# Altium PCB ROS-Robot-Controller.PcbDoc (part 1 of 2)
Units mm, origin at the board's own origin, x right, y up, seen from the top; angles counter-clockwise.
Board outline 50.09 x 64.29 mm, 2 copper layers (Top Layer, Bottom Layer); 98 components, 94 nets, 456 pads, 334 vias.
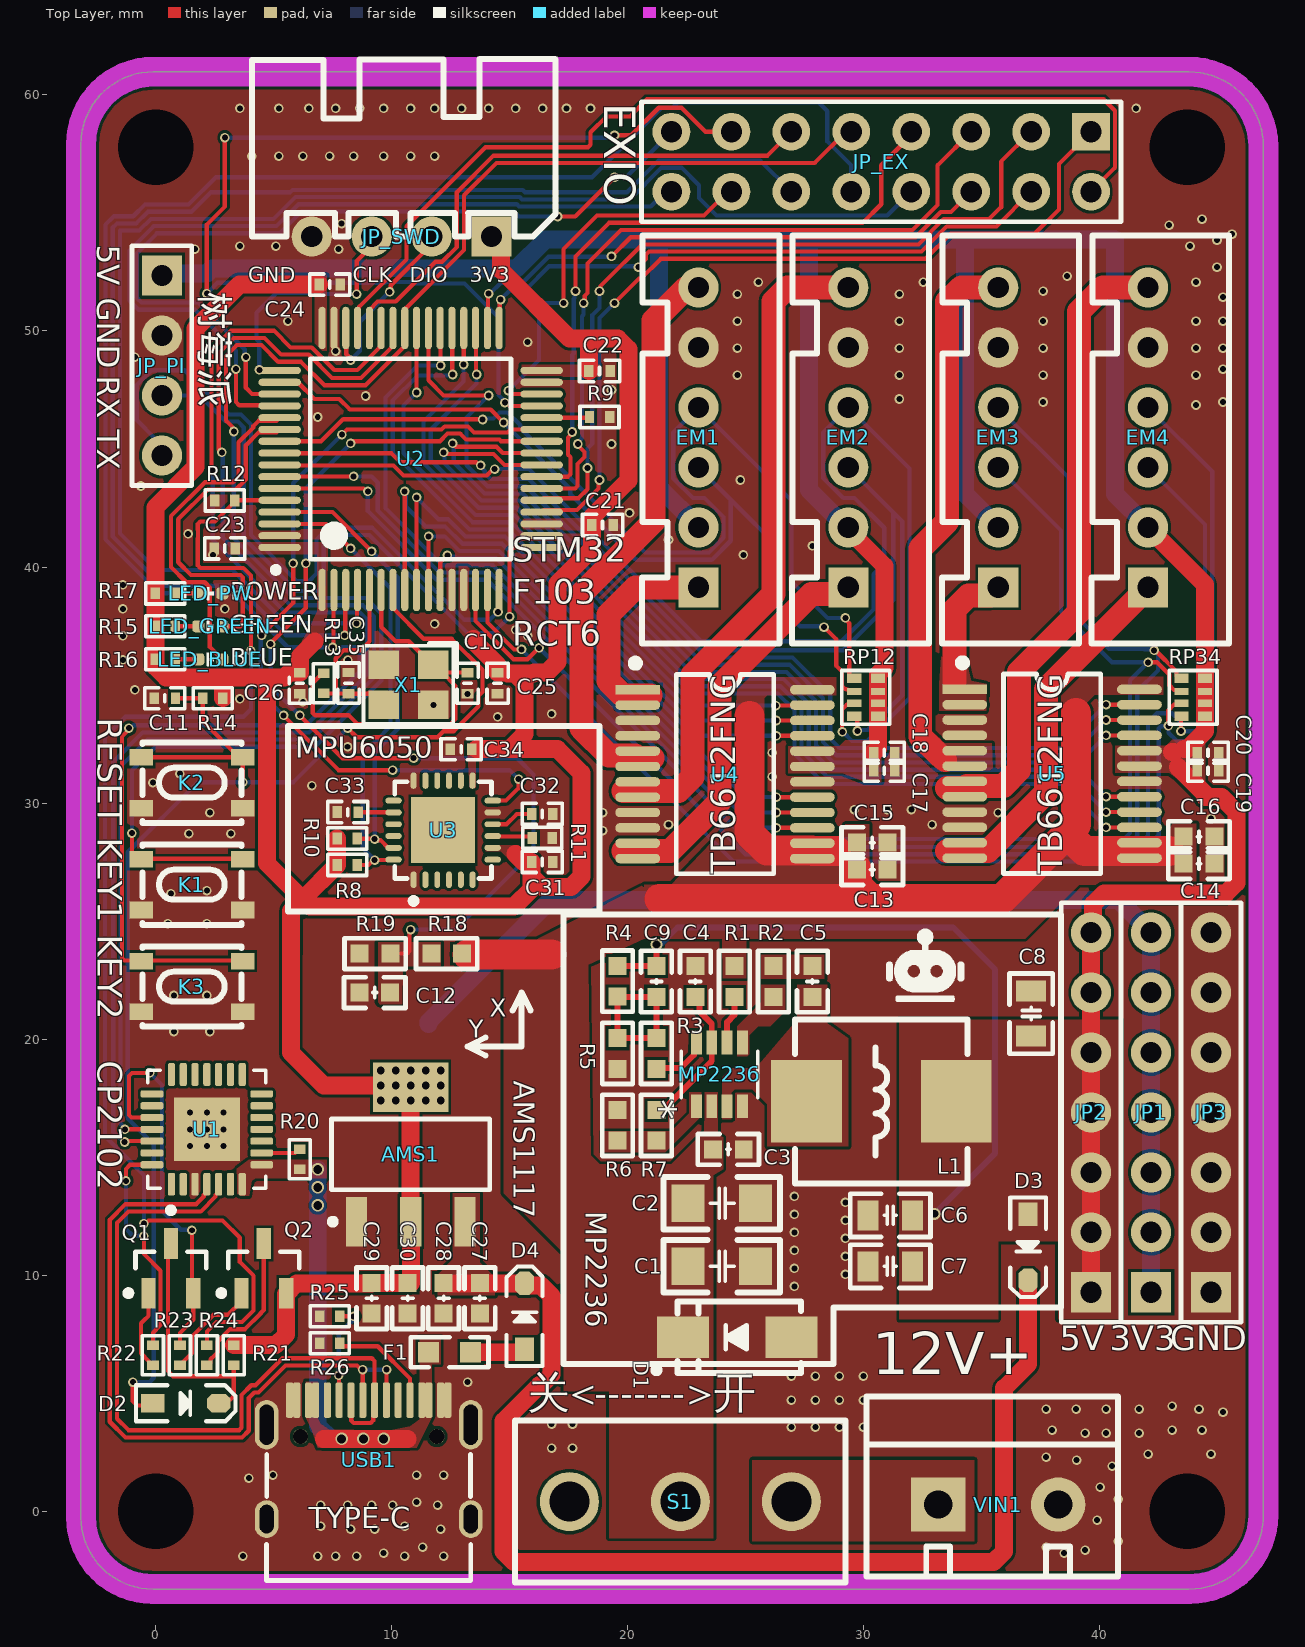
[diagram p0: Top Layer view]
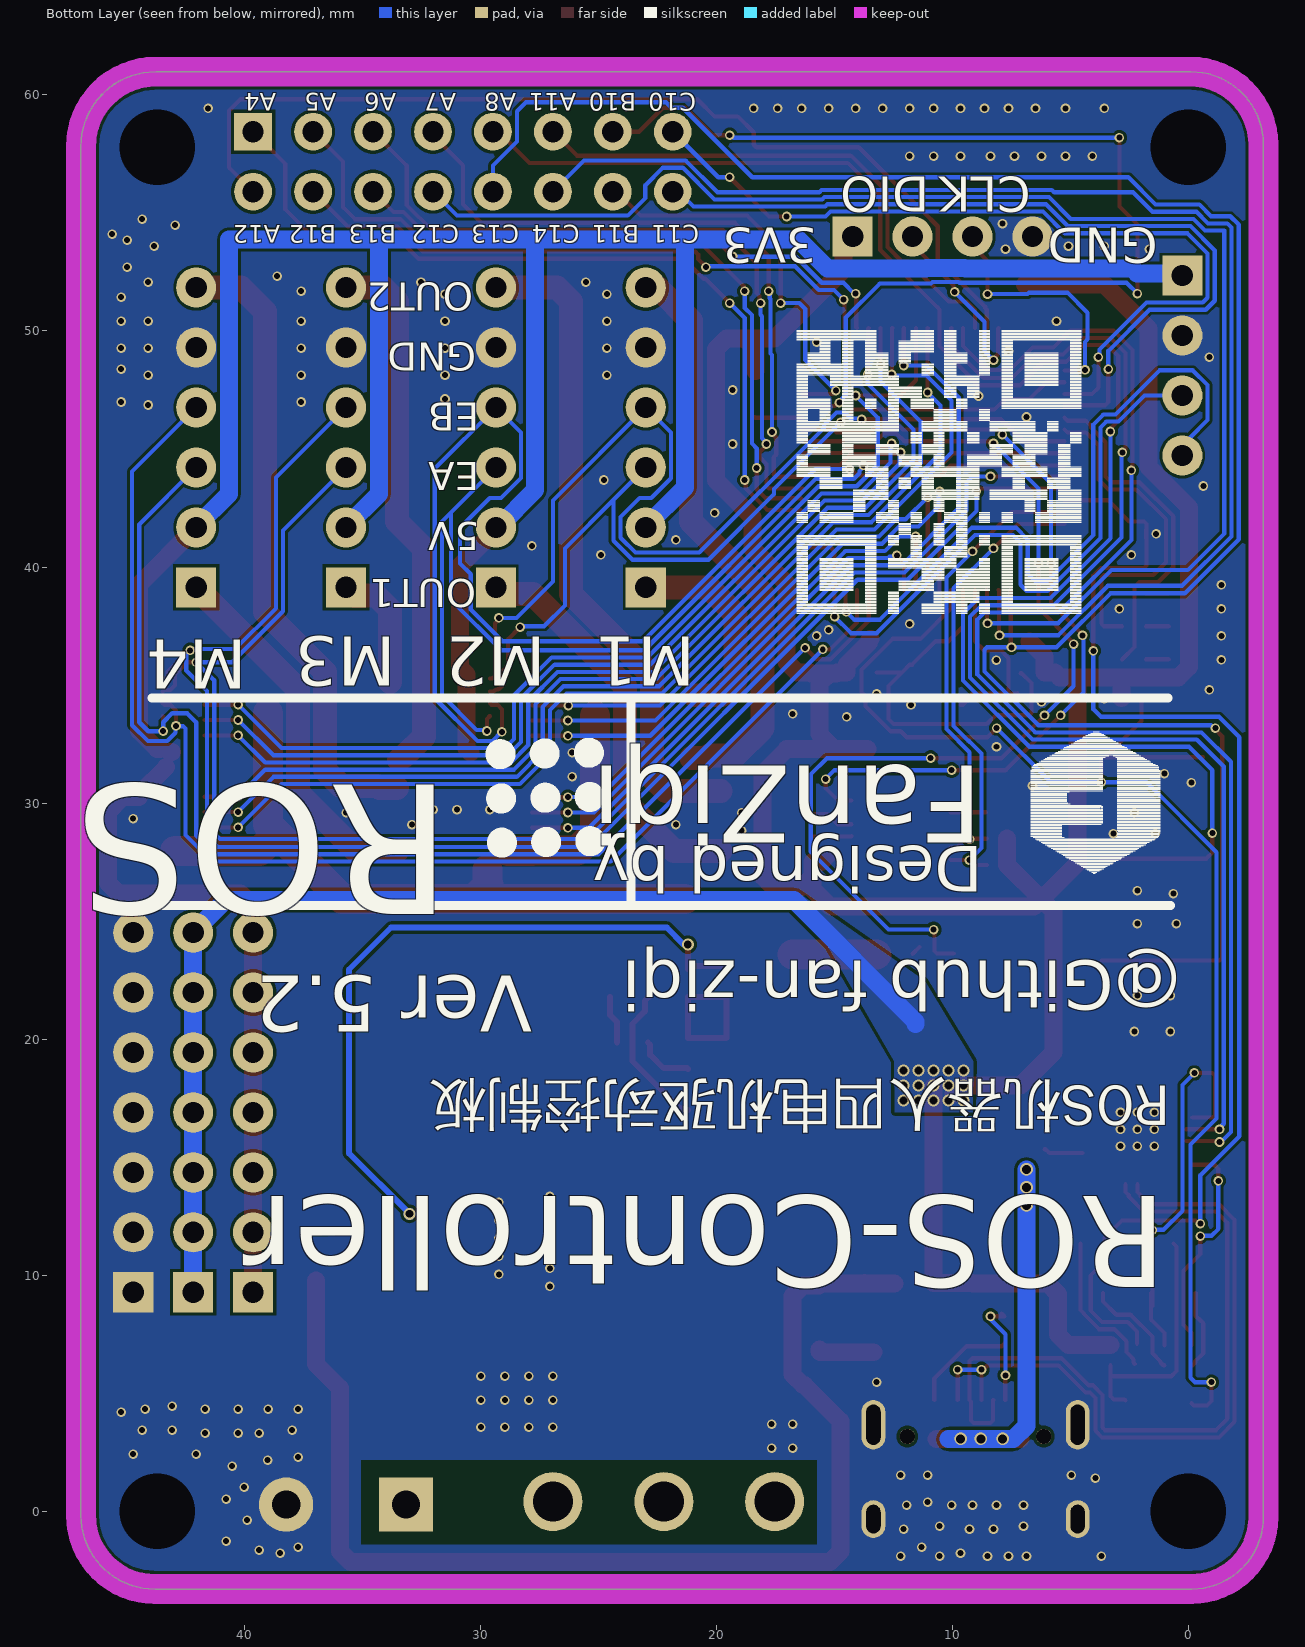
[diagram p1: Bottom Layer view, seen from below]

## Layer stack, top to bottom
Top Solder: solder mask 0.0102, Solder Resist, Dk 3.5
Top Layer: signal copper 0.0356
Dielectric 1: dielectric 0.32, FR-4, Dk 4.8
Bottom Layer: signal copper 0.0356
Bottom Solder: solder mask 0.0102, Solder Resist, Dk 3.5

## Board outline
-3.175,-0.267 ccw(c-0.14,-0.267) -0.14,-3.302 43.789,-3.302 ccw(c43.789,-0.172) 46.919,-0.172 46.919,57.822 ccw(c43.758,57.822) 43.758,60.983 -0.101,60.983 ccw(c-0.101,57.909) -3.175,57.909

## Design rules (kind name [scope] priority, off if disabled: settings)
Clearance [All] p1: gap=0.127 ignorepadtopadclearanceinfootprint=FALSE except(0: Arc-Text Track-Text SMDPad-Text THPad-Text Via-Text Fill-Text Poly-Text Region-Text Text-Text Text-Hole)
ComponentClearance [All] p1: gap=0 collisioncheckmode=3 verticalgap=0 showdistances=FALSE
DiffPairsRouting [InDifferentialPairClass('USB')] p1: maxlimit=0.178 minlimit=0.127 mostfreqgap=0.152 toplayer_minwidth=0.102 toplayer_maxwidth=0.229 toplayer_prefwidth=0.102 bottomlayer_minwidth=0.102 bottomlayer_maxwidth=0.229 bottomlayer_prefwidth=0.102 maxuncoupledlength=12.7
FanoutControl Fanout_BGA [All] p1: bgadir=Out bgaviamode=Centered fanoutstyle=Auto fanoutdirection=Alternating viagrid=0.025 // Fanout_BGA (Default Rule)
HoleSize [All] p1: absolutevalues=TRUE maxlimit=5.969 minlimit=0.203 maxpercent=80.000 minpercent=20.000
MatchedLengths DiffPair_MatchedLengths [InDifferentialPair ('USB')] p1: tolerance=25.4 checknetsindiffpair=FALSE checkdiffpairvsdiffpair=TRUE checkxsignals=TRUE checkothers=TRUE
MinimumSolderMaskSliver [All] p1 off: minsoldermaskwidth=0.051
NetsToIgnore [InNet('GND')] p1:
PlaneClearance [All] p1: clearance=0.203
PlaneConnect [All] p1: planeconnectstyle=Direct reliefexpansion=0.508 reliefentries=4 reliefconductorwidth=0.254 reliefairgap=0.254
PolygonConnect [All] p1: connectstyle=Direct reliefconductorwidth=0.254 reliefentries=4 polygonreliefangle="90 Angle" airgapwidth=0.254
RoutingVias [All] p1: holewidth=0.254 width=0.406 viastyle="Through Hole" minholewidth=0.152 minwidth=0.305 maxholewidth=0.711 maxwidth=1.27
SMDNeckDown [All] p1: percent=10000.000
SilkToSilkClearance [All] p1: silktosilkclearance=0
SilkToSolderMaskClearance [IsPad] p1: minsilkscreentomaskgap=0 clearancetoexposedcopper=TRUE
SolderMaskExpansion [All] p1: expansion=0.076 istentingtop=FALSE
Width [InNetClass('BuXian')] p1: maxlimit=0.178 minlimit=0.178 preferedwidth=0.178
Width MOTOR [InNetClass('MOTOR')] p2: maxlimit=1.016 minlimit=1.016 preferedwidth=1.016
Width VCC12V [InNetClass('VCC12V')] p3: maxlimit=1.27 minlimit=1.27 preferedwidth=1.27
Width VCC3V3 [InNetClass('VCC3V3')] p4: maxlimit=0.762 minlimit=0.762 preferedwidth=0.762
Width VCC5V [InNetClass('VCC5V')] p5: maxlimit=0.762 minlimit=0.254 preferedwidth=0.762
Width GND [InNet('GND')] p6: maxlimit=1.524 minlimit=1.524 preferedwidth=1.524
21 further rules are at their usual default settings.

## Classes and differential pairs
net class MOTOR: M1OUT1 M1OUT2 M2OUT1 M2OUT2 M3OUT1 M3OUT2 M4OUT1 M4OUT2
net class VCC5V: USB_5VIN VCC5V
net class VCC3V3: VCC3V3
net class VCC12V: VCC12V
net class BuXian: BOOT0 BOOT1 CP2102_D+ CP2102_D- DTR KEY1 KEY2 LED_BLUE LED_GREEN M1EA M1EB M1IN1 M1IN2 M1PWM M2EA M2EB M2IN1 M2IN2 M2PWM M3EA M3EB M3IN1 M3IN2 M3PWM M4EA M4EB M4IN1 M4IN2 M4PWM MPU6050_INT MPU6050_SCL MPU6050_SDA NetC32_2 NetC33_1 NetD2_2 NetLED_BLUE_1 NetLED_GREEN_1 NetLED_PW_1 NetQ1_1 NetQ2_1 NetQ2_3 NetR11_2 NetR20_1 NetR25_2 NetR26_2 OSCIN OSCOUT PA4 PA5 PA6 PA7 PA11 PA12 PB10 PB11 PB12 PB13 PC10 PC11 PC14 PC15 RESET RTS SWCLK SWDIO USART1_RX_DEBUG USART1_TX_DEBUG USART2_RX_PI USART2_TX_PI VIN_ADC
differential pair USB: +CP2102_D+ -CP2102_D-

## Components (designator, comment, footprint, x,y, rotation, side; value= is the part's Value field where it differs from the comment)
AMS1 "AMS1117-3V3" SOT223_L 10.795,15.113 r90 top
C1 "22uf" C1206_L 24.003,10.374 r180 top
C2 "22uf" C1206_L 24.003,13.041 r180 top
C3 "0.1uf" C0603_L 24.257,15.327 r180 top
C4 "0.1uf" C0603_L 22.86,22.439 r90 top
C5 "0.1uf" C0603_L 27.813,22.439 r90 top
C6 "22uf" C0805_L 31.115,12.533 r0 top
C7 "22uf" C0805_L 31.115,10.374 r0 top
C8 "22uf" C0805_L 37.084,21.082 r270 top
C9 "220pf" C0603_L 21.209,22.439 r270 top
C10 "20pf" C0402_L 13.208,35.075 r270 top
C11 "0.1uf" C0402_L 0.381,34.44 r0 top
C12 "0.1uf" C0603_L 9.271,21.971 r0 top
C13 "0.1uf" C0603_L 30.353,27.178 r180 top
C14 "0.1uf" C0603_L 44.196,27.432 r180 top
C15 "10uf" C0603_L 30.353,28.321 r180 top
C16 "10uf" C0603_L 44.196,28.575 r180 top
C17 "0.1uf" C0402_L 30.861,31.369 r0 top
C18 "10uf" C0402_L 30.861,32.131 r180 top
C19 "0.1uf" C0402_L 44.577,31.369 r0 top
C20 "10uf" C0402_L 44.577,32.131 r180 top
C21 "0.1uf" C0402_L 18.923,41.783 r180 top
C22 "0.1uf" C0402_L 18.796,48.306 r180 top
C23 "0.1uf" C0402_L 2.921,40.79 r0 top
C24 "0.1uf" C0402_L 7.366,51.966 r180 top
C25 "0.1uf" C0402_L 14.478,35.075 r90 top
C26 "0.1uf" C0402_L 6.096,35.075 r90 top
C27 "22uf" C0603_L 13.728,9.017 r90 top
C28 "0.1uf" C0603_L 12.192,9.017 r90 top
C29 "0.1uf" C0603_L 9.144,9.017 r90 top
C30 "22uf" C0603_L 10.668,9.017 r90 top
C31 "0.1uf" C0402_L 16.374,27.507 r180 top
C32 "0.1uf" C0402_L 16.374,29.539 r180 top
C33 "2.2nf" C0402_L 8.128,29.614 r180 top
C34 "0.1uf" C0402_L 12.931,32.281 r180 top
C35 "20pf" C0402_L 8.162,35.082 r90 top
D1 "SMAJ12A" SMA 24.638,7.366 r180 top
D2 "1N4148" SOD-323 1.27,4.572 r0 top
D3 "1N4148" SOD-323 36.957,11.176 r270 top
D4 "1N4148" SOD-323 15.621,8.255 r90 top
EM1 "HDR-1X6" XH2.54-LI-6P 22.987,45.489 r90 top
EM2 "HDR-1X6" XH2.54-LI-6P 29.337,45.489 r90 top
EM3 "HDR-1X6" XH2.54-LI-6P 35.687,45.489 r90 top
EM4 "HDR-1X6" XH2.54-LI-6P 42.037,45.489 r90 top
F1 "MSMD200-8V 2A" "FU 0603" 12.446,6.731 r0 top
JP1 "HDR-1X7" HDR2.54-LI-7P 42.164,16.891 r90 top
JP2 "HDR-1X7" HDR2.54-LI-7P 39.624,16.891 r90 top
JP3 "HDR-1X7" HDR2.54-LI-7P 44.704,16.891 r90 top
JP_EX "Header 8X2" HDR2.54-LI-2x8P 30.734,57.173 r180 top
JP_PI "HDR-1X4" HDR2.54-LI-4P 0.254,48.537 r270 top
JP_SWD "HDR-1X4" XH2.54-WI-4P 10.414,53.998 r180 top
K1 "TACT 4P" SW-SMD_4P-L4.2-W3.3-P2.15-LS5.1 1.524,26.543 r0 top value=3.4x3.5
K2 "TACT 4P" SW-SMD_4P-L4.2-W3.3-P2.15-LS5.1 1.524,30.861 r0 top value=3.4x3.5
K3 "TACT 4P" SW-SMD_4P-L4.2-W3.3-P2.15-LS5.1 1.524,22.225 r0 top value=3.4x3.5
L1 "3.3uH" L-SMD-0630 30.734,17.359 r0 top
LED_BLUE "红色" LED_0402_RED 2.307,36.091 r0 top
LED_GREEN "红色" LED_0402_RED 2.307,37.488 r0 top
LED_PW "红色" LED_0402_RED 2.307,38.885 r0 top
MP2236 "MP2236" TSOT23-8_MP2225_MNP 23.876,18.502 r90 top
Q1 "SS8050" SOT23-3N 0.635,10.287 r90 top
Q2 "SS8550" SOT23-3N 4.572,10.287 r90 top
R1 "100K" R0603_L 24.511,22.439 r270 top
R2 "10R" R0603_L 26.162,22.439 r90 top
R3 "0R" R0603_L 21.209,19.391 r90 top
R4 "100K" R0603_L 19.558,22.454 r90 top
R5 "13.7K" R0603_L 19.558,19.391 r90 top
R6 "0R" R0603_L 19.558,16.343 r90 top
R7 "N/A" R0603_L 21.209,16.343 r90 top
R8 "4.7K" R0402_L 8.103,27.38 r180 top
R9 "10K" R0402_L 18.796,46.355 r0 top
R10 "4.7K" R0402_L 8.103,28.497 r180 top
R11 "10K" R0402_L 16.374,28.523 r180 top
R12 "10K" R0402_L 2.921,42.822 r180 top
R13 "1M" R0402_L 7.112,35.075 r270 top
R14 "10K" R0402_L 2.413,34.44 r0 top
R15 "1K" R0402_L 0.402,37.488 r180 top
R16 "1K" R0402_L 0.402,36.091 r180 top
R17 "1K" R0402_L 0.402,38.885 r180 top
R18 "10K" R0603_L 12.319,23.622 r0 top
R19 "1K" R0603_L 9.286,23.622 r0 top
R20 "4.7K" R0402_L 6.096,14.905 r270 top
R21 "10K" R0402_L 3.302,6.604 r270 top
R22 "1K" R0402_L -0.127,6.604 r270 top
R23 "1K" R0402_L 1.016,6.604 r270 top
R24 "1K" R0402_L 2.159,6.604 r90 top
R25 "5.1K" R0402_L 7.366,8.255 r0 top
R26 "5.1K" R0402_L 7.366,7.112 r0 top
RP12 "4.7K" RCA-8P4R-0402 30.091,34.478 r270 top
RP34 "4.7K" RCA-8P4R-0402 43.95,34.478 r270 top
S1 "SS-12F23" SS-12D10 22.224,0.404 r180 top
U1 "CP2102" QFN-28 2.159,16.175 r90 top value=Value
U2 "STM32F103RCT6" LQFP64_N 10.795,44.577 r90 top
U3 "MPU6050" QFN-24 12.169,28.852 r90 top
U4 "TB6612FNG" SSOP24_M 24.113,31.224 r0 top
U5 "TB6612FNG" SSOP24_M 37.973,31.242 r0 top
USB1 "Type-C" Type-C-TOP 9.017,2.182 r270 top
VIN1 "HDR-1X2" KF301-5.0-2P 38.227,0.277 r0 top
X1 "8M" "OSC 3225-4P" 10.702,35.013 r180 top

## Footprints (in the part's own frame and the unit in brackets; to place one, negate y for a bottom-side part, rotate by r counter-clockwise, add the part's x,y. Pads: shape width x height; smd on the part's side, far side on the other; paste and mask are expansions set on the pad)
C0402_L [mm] "无极性贴片电容"
  rect 0.4x0.5 smd: 1(-0.45,0) 2(0.45,0)
  silkscreen extent -0.85,-0.45 0.85,0.45, body extent -0.5,-0.26 0.5,0.26, height 0.54
C0603_L [mil] "无极性贴片电容"
  rect 30x30 smd: 1(-25.59,0) 2(25.59,0)
  silkscreen extent -51,-26 51,26, body extent -31,-16 32,16, height 33
C0805_L [mil] "无极性贴片电容"
  rect 35x50 smd: 1(-37.4,0) 2(37.4,0)
  silkscreen extent -67,-36 67,36, body extent -39,-24 39,24, height 22
C1206_L [mil] "无极性贴片电容"
  rect 55x62 smd: 1(-55.12,0) 2(57.09,0)
  silkscreen extent -96,-44 98,44, body extent -63,-32 63,32, height 50
"FU 0603" [mil] "贴片保险丝"
  rect 35x35 smd: 1(-35,0) 2(35,0)
  silkscreen extent -65,-25 65,25, body extent -31,-16 32,16, height 20
HDR2.54-LI-2x8P [mm] "双排排针，8x2脚"
  rect 1.6x1.6 hole 0.9: 1(-8.89,-1.27)
  round 1.6 hole 0.9: 2(-8.89,1.27) 3(-6.35,-1.27) 4(-6.35,1.27) 5(-3.81,-1.27) 6(-3.81,1.27) 7(-1.27,-1.27) 8(-1.27,1.27) 9(1.27,-1.27) 10(1.27,1.27) 11(3.81,-1.27) 12(3.81,1.27) 13(6.35,-1.27) 14(6.35,1.27) 15(8.89,-1.27) 16(8.89,1.27)
  silkscreen extent -10.16,-2.54 10.16,2.54, body extent -10.16,-2.54 10.16,2.54, height 8.5
HDR2.54-LI-4P [mm] "排针，4脚"
  rect 1.7x1.7 hole 0.9: 1(-3.81,0)
  round 1.7 hole 0.9: 2(-1.27,0) 3(1.27,0) 4(3.81,0)
  silkscreen extent -5.08,-1.27 5.08,1.27, body extent -5.08,-1.27 5.08,1.27, height 2.54
HDR2.54-LI-7P [mm] "排针，8脚"
  rect 1.7x1.7 hole 0.9: 1(-7.62,0)
  round 1.7 hole 0.9: 2(-5.08,0) 3(-2.54,0) 4(0,0) 5(2.54,0) 6(5.08,0) 7(7.62,0)
  silkscreen extent -8.89,-1.27 8.89,1.27, body extent -8.89,-1.27 8.89,1.27, height 2.54
KF301-5.0-2P [mm] "可拼接端子/6A"
  rect 2.3x2.3 hole 1.2: 1(-5.08,0)
  round 2.3 hole 1.2: 2(0,0)
  silkscreen extent -8.13,-3.05 2.54,4.57, body extent -7.95,-3 2.55,4.6, height 3.29
L-SMD-0630 [mm] "一体化成型电感"
  rect 3x3.5 smd: 1(-3.175,0) 2(3.175,0)
  silkscreen extent -3.66,-3.48 3.66,3.48, body extent -3.47,-3.3 3.48,3.3, height 3.05
LED_0402_RED [mil]
  rrect50% 20x20 smd: 1(-20,0) 2(20,0)
  silkscreen extent -6,-11 6,10, body extent -20,-10 20,10, height 18
LQFP64_N [mm] "Thin QFP, 64-Leads, Body 10x10mm, Pitch 0.5mm, IPC Medium Density封装库来自淘宝 ID：黄晶宝石"
  oval 1.8x0.3 smd: 1(-5.55,3.75) 2(-5.55,3.25) 3(-5.55,2.75) 4(-5.55,2.25) 5(-5.55,1.75) 6(-5.55,1.25) 7(-5.55,0.75) 8(-5.55,0.25) 9(-5.55,-0.25) 10(-5.55,-0.75) 11(-5.55,-1.25) 12(-5.55,-1.75) 13(-5.55,-2.25) 14(-5.55,-2.75) 15(-5.55,-3.25) 16(-5.55,-3.75) 33(5.55,-3.75) 34(5.55,-3.25) 35(5.55,-2.75) 36(5.55,-2.25) 37(5.55,-1.75) 38(5.55,-1.25) 39(5.55,-0.75) 40(5.55,-0.25) 41(5.55,0.25) 42(5.55,0.75) 43(5.55,1.25) 44(5.55,1.75) 45(5.55,2.25) 46(5.55,2.75) 47(5.55,3.25) 48(5.55,3.75)
  oval 0.3x1.8 smd: 17(-3.75,-5.55) 18(-3.25,-5.55) 19(-2.75,-5.55) 20(-2.25,-5.55) 21(-1.75,-5.55) 22(-1.25,-5.55) 23(-0.75,-5.55) 24(-0.25,-5.55) 25(0.25,-5.55) 26(0.75,-5.55) 27(1.25,-5.55) 28(1.75,-5.55) 29(2.25,-5.55) 30(2.75,-5.55) 31(3.25,-5.55) 32(3.75,-5.55) 49(3.75,5.55) 50(3.25,5.55) 51(2.75,5.55) 52(2.25,5.55) 53(1.75,5.55) 54(1.25,5.55) 55(0.75,5.55) 56(0.25,5.55) 57(-0.25,5.55) 58(-0.75,5.55) 59(-1.25,5.55) 60(-1.75,5.55) 61(-2.25,5.55) 62(-2.75,5.55) 63(-3.25,5.55) 64(-3.75,5.55)
  silkscreen extent -4.82,-4.25 4.25,5.84, body extent -6,-6 6,6, height 1.45
"OSC 3225-4P" [mm] "3.2*2.5*0.7mm(长宽高)"
  rect 1.3x1.2 smd: 1(-1.05,-0.85) 2(1.05,-0.85) 3(1.05,0.85) 4(-1.05,0.85)
  silkscreen extent -2.03,-1.75 1.91,1.65, body extent -1.6,-1.25 1.6,1.25, height 0.7
QFN-24 [mm] "QFN, 24-Leads, Body 4.1x4.1mm (max), Pitch 0.50mm, IPC Low Density"
  oval 0.7x0.25 smd: 1(-2.1,1.25) 2(-2.1,0.75) 3(-2.1,0.25) 4(-2.1,-0.25) 5(-2.1,-0.75) 6(-2.1,-1.25) 13(2.1,-1.25) 14(2.1,-0.75) 15(2.1,-0.25) 16(2.1,0.25) 17(2.1,0.75) 18(2.1,1.25)
  oval 0.25x0.7 smd: 7(-1.25,-2.1) 8(-0.75,-2.1) 9(-0.25,-2.1) 10(0.25,-2.1) 11(0.75,-2.1) 12(1.25,-2.1) 19(1.25,2.1) 20(0.75,2.1) 21(0.25,2.1) 22(-0.25,2.1) 23(-0.75,2.1) 24(-1.25,2.1)
  rect 2.8x2.7 smd: ""(0,0)
  silkscreen extent -3.12,-2.05 2.05,2.05, body extent -2.02,-2.02 2.02,2.02, height 0.95
QFN-28 [mil]
  rrect50% 38x12 smd mask+5: 1(-91.5,59.05) 2(-91.5,39.37) 3(-91.5,19.68) 4(-91.5,0) 5(-91.5,-19.69) 6(-91.5,-39.37) 7(-91.5,-59.06) 15(91.5,-59.06) 16(91.5,-39.37) 17(91.5,-19.69) 18(91.5,0) 19(91.5,19.68) 20(91.5,39.37) 21(91.5,59.05)
  rrect50% 12x38 smd mask+5: 8(-59.05,-91.5) 9(-39.37,-91.5) 10(-19.68,-91.5) 11(0,-91.5) 12(19.69,-91.5) 13(39.37,-91.5) 14(59.06,-91.5) 22(59.06,91.5) 23(39.37,91.5) 24(19.69,91.5) 25(0,91.5) 26(-19.68,91.5) 27(-39.37,91.5) 28(-59.05,91.5)
  rect 106.3x110.24 smd: 29(0,0)
  silkscreen extent -140,-98 99,98, body extent -98,-98 98,98, height 35
R0402_L [mm] "1/16W贴片电阻"
  rect 0.4x0.5 smd: 1(-0.425,0) 2(0.425,0)
  silkscreen extent -0.82,-0.45 0.83,0.45, body extent -0.5,-0.25 0.5,0.25, height 0.3
R0603_L [mil] "1/10W贴片电阻"
  rect 30x30 smd: 1(-25.59,0) 2(25.59,0)
  silkscreen extent -51,-26 51,26, body extent -31,-16 32,16, height 16
RCA-8P4R-0402 [mm] "2mm*1mm*0.45mm(长*宽*厚)             淘宝ID:黄晶宝石"
  rect 0.4x0.6 smd: 1(-0.8,-0.5) 4(0.8,-0.5) 5(0.8,0.5) 8(-0.8,0.5)
  rect 0.3x0.6 smd: 2(-0.25,-0.5) 3(0.25,-0.5) 6(0.25,0.5) 7(-0.25,0.5)
  silkscreen extent -1.14,-1.02 1.15,1.01, body extent -1,-0.5 1,0.5, height 0.45
SMA [mm] "4.5x2.6*2.2mm（长宽高，不包括引脚）"
  rect 2.2x1.75 smd: 1(-2.3,0) 2(2.3,0)
  silkscreen extent -2.7,-1.52 3.56,1.52, body extent -2.55,-1.3 2.55,1.3, height 2.15
SOD-323 [mm] "1.8x1.3X0.9mm（长宽高，不包括引脚）"
  rect 1x0.8 smd: 1(-1.4,0)
  oct 1x0.8 smd: 2(1.4,0)
  silkscreen extent -2.11,-0.76 2.11,0.76, body extent -1.32,-0.65 1.32,0.65, height 0.95
SOT23-3N [mm] "SOT23, 3-Leads, Body 2.9x1.3mm, Pitch 0.95mm, Lead Span 2.4mm, IPC Medium Density"
  rect 1.3x0.6 smd: 1(-1.05,0.95) 2(-1.05,-0.95) 3(1.05,0)
  silkscreen extent -1.17,-1.5 0.7,1.92, body extent -1.2,-1.5 1.2,1.5, height 1.05
SOT223_L [mm] "SOT223, 4-Leads, Body 6.5x3.5mm, Pitch 2.3mm, Lead Span 7mm, IPC High Density"
  rect 2.1x0.9 smd: 1(-2.85,2.3) 2(-2.85,0) 3(-2.85,-2.3)
  rect 2.1x3.2 smd: 4(2.85,0)
  silkscreen extent -2.97,-3.35 1.5,3.42, body extent -1.85,-3.35 1.85,3.35, height 1.7
SS-12D10 [mm] "脚距3mm      淘宝ID:黄晶宝石"
  round 2.5 hole 1.7: 1(-4.7,0) 2(0,0) 3(4.7,0)
  silkscreen extent -7,-3.43 7,3.43, body extent -7,-3.1 7,3.1, height 9.65
SSOP24_M [mm] "8.3*7.8*1.6（长宽高）"
  rect 1.9x0.4 smd: 1(-3.7,3.575)
  oval 1.9x0.4 smd: 2(-3.7,2.925) 3(-3.7,2.275) 4(-3.7,1.625) 5(-3.7,0.975) 6(-3.7,0.325) 7(-3.7,-0.325) 8(-3.7,-0.975) 9(-3.7,-1.625) 10(-3.7,-2.275) 11(-3.7,-2.925) 12(-3.7,-3.575) 13(3.7,-3.575) 14(3.7,-2.925) 15(3.7,-2.275) 16(3.7,-1.625) 17(3.7,-0.975) 18(3.7,-0.325) 19(3.7,0.325) 20(3.7,0.975) 21(3.7,1.625) 22(3.7,2.275) 23(3.7,2.925) 24(3.7,3.575)
  silkscreen extent -3.93,-4.23 2.07,4.83, body extent -3.85,-4.15 3.85,4.15, height 1.65
SW-SMD_4P-L4.2-W3.3-P2.15-LS5.1 [mm]
  rect 1x0.7 smd: 1(-2.15,1.075) 2(2.15,1.075) 3(-2.15,-1.075) 4(2.15,-1.075)
  silkscreen extent -2.1,-1.7 2.1,1.7, body extent -2.35,-1.6 2.35,1.6, height 2.51
TSOT23-8_MP2225_MNP [mil]
  rect 39.5x18 smd paste+0 mask+0: 1(-53.25,38.39) 2(-53.25,12.8) 3(-53.25,-12.8) 4(-53.25,-38.39) 5(53.25,-38.39) 6(53.25,-12.8) 7(53.25,12.8) 8(53.25,38.39)
  silkscreen extent -39,-64 39,64, body extent -59,-59 59,59, height 39
Type-C-TOP [mm]
  round 0.65 hole 0.65: 0(-0.98,2.89) 0(-0.98,-2.89)
  oval 1.6x1 hole 0.6 slot 1.2 at 0 deg: 1(2.52,4.325) 2(2.52,-4.325)
  oval 2.1x1 hole 0.6 slot 1.7 at 0 deg: 3(-1.48,-4.325) 4(-1.48,4.325)
  rrect50% 1.5x0.3 smd: A1(-2.52,-3.35) A4(-2.52,-2.55) A5(-2.52,-1.25) A6(-2.52,-0.25) A7(-2.52,0.25) A8(-2.52,1.25) A9(-2.52,2.55) A12(-2.52,3.35) B1(-2.52,3.05) B4(-2.52,2.25) B5(-2.52,1.75) B6(-2.52,0.75) B7(-2.52,-0.75) B8(-2.52,-1.75) B9(-2.52,-2.25) B12(-2.52,-3.05)
  silkscreen extent -0.22,-4.33 5.12,4.32, body extent -2.57,-4.48 5.18,4.48, height 3.26
XH2.54-LI-6P [mm] "接插件，6P"
  rect 1.7x1.7 hole 0.9: 1(-6.35,0)
  round 1.7 hole 0.9: 2(-3.81,0) 3(-1.27,0) 4(1.27,0) 5(3.81,0) 6(6.35,0)
  silkscreen extent -8.74,-3.43 8.56,2.39, body extent -8.85,-3.3 8.85,2.4, height 7.05
XH2.54-WI-4P [mm] "接插件，4P"
  rect 1.7x1.7 hole 0.9: 1(-3.81,0)
  round 1.7 hole 0.9: 2(-1.27,0) 3(1.27,0) 4(3.81,0)
  silkscreen extent -6.53,-7.53 6.35,0, body extent -6.31,-7.5 6.31,0.2, height 2.89

## Part data
AMS1: library part AMS1117, "三端稳压芯片", BOM名称=稳压芯片, 封装库来自淘宝卖家 ID：黄晶宝石=其他店铺购入均为盗版，请立即申请退款，本店现金奖励5~20元, 联系卖家 免费查找封装=唯一出售店铺网址https://shop463601444.taobao.com
C1 C2 C3 C4 C5 C6 C7 C8 C9 C10 C11 C12 C13 C14 C15 C16 C17 C18 C19 C20 C21 C22 C23 C24 C25 C26 C27 C28 C29 C30 C31 C32 C33 C34 C35: library part C, "贴片电容", BOM名称=无极性贴片电容, 封装库来自淘宝卖家ID：黄晶宝石=其他店铺购入均为盗版假冒封装库，请立即申请退款, 联系卖家，免费查找封装=唯一出售店铺网址https://shop463601444.taobao.com
D1: library part TVS, "TVS通用", Code_JEDEC=DO-214-AB, 联系卖家，免费查找封装=唯一出售店铺网址https://shop463601444.taobao.com
D2 D3 D4: "开关二极管", BOM名称=高速开关二极管, 联系卖家，免费查找封装=唯一出售店铺网址https://shop463601444.taobao.com
EM1 EM2 EM3 EM4: library part "Header 6", "6P接插件", BOM名称=6P接插件, 封装库来自淘宝卖家 ID：黄晶宝石=其他店铺购入均为盗版假冒封装库, 联系卖家，免费查找封装=唯一出售店铺网址https://shop463601444.taobao.com
F1: library part FU, "贴片保险丝", BOM名称=贴片保险丝, 联系卖家，免费查找封装=唯一出售店铺网址https://shop463601444.taobao.com
JP1 JP2 JP3: library part "Header 7", "7P接插件", BOM名称=7P接插件, 封装库来自淘宝卖家 ID：黄晶宝石=其他店铺购入均为盗版假冒封装库, 联系卖家，免费查找封装=唯一出售店铺网址https://shop463601444.taobao.com
JP_EX: "8*2P接插件", BOM名称=8*2P接插件, 封装库来自淘宝卖家 ID：黄晶宝石=其他店铺购入均为盗版假冒封装库, 联系卖家，免费查找封装=唯一出售店铺网址https://shop463601444.taobao.com
JP_PI JP_SWD: library part "Header 4", "4P接插件", BOM名称=4P接插件, 封装库来自淘宝卖家 ID：黄晶宝石=其他店铺购入均为盗版假冒封装库, 联系卖家，免费查找封装=唯一出售店铺网址https://shop463601444.taobao.com
K1 K2 K3: library part ButtonTACT, "Button", Type="TACT 4P"
L1: library part "L-Molding Choke", "一体成型电感", BOM名称=一体成型电感, 封装库来自淘宝卖家ID：黄晶宝石=其他店铺购入均为盗版假冒封装库，请立即申请退款, 联系卖家，免费查找封装=唯一出售店铺网址https://shop463601444.taobao.com
LED_BLUE LED_GREEN LED_PW: library part LED-SMD, "贴片LED", BOM名称=贴片LED, 封装库来自淘宝卖家 ID：黄晶宝石=其他店铺购入均为假冒，请立即申请退款，本店奖励现金5~20元
MP2236: library part MP2225修改版
Q1: library part 8050-SMD, "高频放大-NPN型", BOM名称=高频放大-NPN型, 参数="40V 1.5A 1W 100MHZ", 封装库来自淘宝卖家 ID：黄晶宝石=其他店铺购入均为盗版，不享受售后技术支持服务，请立即申请退款, 联系卖家，免费查找封装=唯一出售店铺网址https://shop463601444.taobao.com
Q2: library part 8550-SMD, "高频放大-PNP型", BOM名称=高频放大-PNP型, 参数="40V 1.5A 1W 100MHZ", 封装库来自淘宝卖家 ID：黄晶宝石=其他店铺购入均为盗版，不享受售后技术支持服务，请立即申请退款, 联系卖家，免费查找封装=唯一出售店铺网址https://shop463601444.taobao.com
R1 R2 R3 R4 R5 R6 R7 R8 R9 R10 R11 R12 R13 R14 R15 R16 R17 R18 R19 R20 R21 R22 R23 R24 R25 R26: library part R, "贴片电阻", BOM名称=贴片电阻, 封装库来自淘宝卖家ID：黄晶宝石=其他店铺购入均为盗版假冒封装库，请立即申请退款, 联系卖家，免费查找封装=唯一出售店铺网址https://shop463601444.taobao.com
RP12 RP34: library part R-8P4R, "贴片4P排阻", BOM名称=贴片网络排阻, 封装库来自淘宝卖家ID：黄晶宝石=其他店铺购入均为盗版假冒封装库，请立即申请退款, 联系卖家，免费查找封装=唯一出售店铺网址https://shop463601444.taobao.com
S1: library part SSW-1P, "1路波动开关", BOM名称=波动开关, 联系卖家，免费查找封装=唯一出售店铺网址https://shop463601444.taobao.com
U1: "USB转TTL", MFG #1="SILICON LABS", PART DESC="SINGLE-CHIP USB TO UART BRIDGE, QFN28, RoHS.", PART NUMBER=CP2102, RefDes=RefDes, Type=DEV
U2: "STM32 ARM-based 32-bit MCU Performance Line with 256 kB Flash, 48 kB Internal RAM, -40 to +85癈 Temperature, 64-Pin LQFP, Tray", ComponentLink1Description="Manufacturer URL", ComponentLink1URL=http://www.st.com/, ComponentLink2Description="STM32F103 Datasheet", ComponentLink2URL=http://www.st.com/internet/com/TECHNICAL_RESOURCES/TECHNICAL_LITERATURE/DATASHEET/CD00191185.pdf, ComponentLink3Description="STM32 Family Web Page", ComponentLink3URL=www.st.com/stm32, DatasheetVersion="rev8.0, Apr-2011", PackageDescription="64-Pin Low-Profile Quad Flat Pack, 10 x 10 mm Body, 0.5 mm Pitch (LQFP64)", PackageReference=LQFP64, PackageVersion="rev13, Apr-2011", 联系卖家，免费查找封装=唯一出售店铺网址https://shop463601444.taobao.com
U3: "六轴传感器"
U4 U5: "电机驱动", BOM名称=TB6612FNG, 联系卖家，免费查找封装=唯一出售店铺网址https://shop463601444.taobao.com
USB1: library part USB-Type-C-TOP
VIN1: library part "Header 2", "2P接插件", BOM名称=2P接插件, 封装库来自淘宝卖家 ID：黄晶宝石=其他店铺购入均为盗版假冒封装库, 联系卖家，免费技术支持=唯一出售店铺网址https://shop463601444.taobao.com
X1: library part XTAL-4P, "4脚无源晶振", BOM名称=4脚无源晶振, 联系卖家，免费查找封装=唯一出售店铺网址https://shop463601444.taobao.com

## Free pads (board coordinates)
  round 0 hole 3.2: 5(0,0) 5(0,57.785) 5(43.688,0) 5(43.688,57.785)

## Via types
v1: diameter 0.406, hole 0.254, Top Layer to Bottom Layer, tented both sides, 311 vias
v2: diameter 0.508, hole 0.33, Top Layer to Bottom Layer, tented both sides, 17 vias
v3: diameter 0.533, hole 0.381, Top Layer to Bottom Layer, tented both sides, 6 vias

## Nets (pads, with @x,y where several pads share a name; then routed paths per layer and width w, separated by ;. In a path a pad name is that pad's centre, name@x,y a point inside that pad or via, vN(x,y) a via of type N, cw(c..) or ccw(c..) an arc to the next point about the centre after c; other vN are vias at no path point)
BOOT0: R12.1 R24.2 U2.60 | length 52.3
  Top Layer w0.178: v1(-0.508,12.179) -0.446,12.179 -0.306,12.319 2.817,12.319 3.556,11.58 3.556,10.558 4.138,9.976 4.138,8.498 3.654,8.014 2.57,8.014 2.171,7.615 R24.2@2.171,7.09 ; R12.1@3.346,42.822 3.346,42.772 2.507,41.933 1.882,41.933 1.778,41.829 1.778,41.582 1.784,41.576 1.784,41.228 1.778,41.222 1.778,40.069 1.882,39.965 3.705,39.965 4.026,39.644 v1(4.026,36.449) ; R12.1@3.346,42.827 U2.60@5.245,42.827
  Bottom Layer w0.178: v1(-0.508,12.179) -0.508,14.233 -2.159,15.884 -2.159,32.789 -1.293,33.655 3.706,33.655 4.026,33.975 v1(4.026,36.449)
BOOT1: R9.1 U2.28 | length 2
  Top Layer w0.178: U2.28@16.345,46.327 18.343,46.327 R9.1@18.371,46.355
CP2102_D+: U1.4 USB1.A6 USB1.B6 | length 30.3
  Top Layer w0.178: U1.4@2.159,13.851 2.159,13.521 2.027,13.389 2.027,13.324 1.709,13.005 -1.292,13.005 -1.956,12.341 -1.956,3.788 -1.292,3.124 3.654,3.124 3.937,3.407 3.937,4.798 4.168,5.029 4.351,5.029 5.494,6.172 8.521,6.172 8.701,5.992 v1(8.763,5.992) 8.765,5.99 USB1.A6@8.765,4.704 ; USB1.B6@9.767,4.702 9.773,4.708 9.773,5.986 v1(9.779,5.992)
  Bottom Layer w0.178: v1(8.763,5.992) v1(9.779,5.992)
CP2102_D-: U1.5 USB1.A7 USB1.B7 | length 31.2
  Top Layer w0.178: U1.5@2.659,13.851 2.659,13.521 2.527,13.389 2.527,13.324 1.904,12.7 -1.166,12.7 -1.651,12.215 -1.651,3.914 -1.166,3.429 3.528,3.429 3.632,3.533 3.632,4.924 4.042,5.334 4.225,5.334 5.368,6.477 9.144,6.477 9.267,6.354 USB1.A7@9.267,4.702 9.206,4.641 9.206,3.833 9.102,3.729 8.38,3.729 8.276,3.833 8.276,4.693 USB1.B7@8.267,4.702
DTR: R22.1 U1.28 | length 9.7
  Top Layer w0.178: v1(-1.27,13.993) -1.27,14.501 -1.096,14.675 U1.28@-0.165,14.675 ; v1(-0.508,11.646) -0.508,10.892 0.201,10.183 0.201,7.886 -0.127,7.558 R22.1@-0.127,7.029
  Bottom Layer w0.178: v1(-1.27,13.993) -1.27,11.961 -0.978,11.669 -0.531,11.669 v1(-0.508,11.646)
GND: AMS1.1 C1.1 C2.1 C3.1 C4.2 C6.1 C7.1 C8.1 C10.2 C11.1 C12.1 C13.1 C14.1 C15.1 C16.1 C17.2 C18.1 C19.2 C20.1 C21.1 C22.1 C23.1 C24.1 C25.1 C26.1 C27.1 C28.1 C29.1 C30.1 C31.1 C32.1 C33.2 C34.2 C35.2 D1.1 EM1.5 EM2.5 EM3.5 EM4.5 JP3.1 JP3.2 JP3.3 JP3.4 JP3.5 JP3.6 JP3.7 JP_PI.2 JP_SWD.4 K1.3 K1.4 K2.3 K2.4 K3.3 K3.4 LED_PW.2 MP2236.4 pad.5 R5.1 R6.2 R9.2 R11.1 R12.2 R19.1 R25.1 R26.1 U1.3 U1.29 U2.12 U2.18 U2.31 U2.47 U2.63 U3.1 U3.11 U3.18 U4.3 U4.4 U4.9 U4.10 U4.18 U5.3 U5.4 U5.9 U5.10 U5.18 USB1.1 USB1.2 USB1.3 USB1.4 USB1.A1 USB1.A12 USB1.B1 USB1.B12 VIN1.2 X1.2 X1.4
  other v1: 3.683,-1.905 6.858,-1.905 7.62,-1.905 8.509,-1.905 10.541,-1.905 12.192,-1.905 9.652,-1.778 38.481,-1.778 39.37,-1.651 11.303,-1.524 37.719,-1.524 40.767,-1.27 8.255,-0.762 9.271,-0.762 12.065,-0.762 6.985,-0.635 10.541,-0.635 39.878,-0.381 6.985,0.254 8.128,0.254 9.144,0.254 10.033,0.254 11.938,0.254 11.049,0.381 40.767,0.508 40.005,1.016 3.937,1.397 4.953,1.524 11.049,1.524 12.192,1.524 40.513,1.905 39.007,2.16 37.719,2.286 42.037,2.413 44.704,2.413 16.764,2.667 17.653,2.667 39.37,3.302 40.259,3.302 41.656,3.302 37.973,3.429 43.053,3.429 44.323,3.429 26.924,3.556 27.94,3.556 28.956,3.556 29.972,3.556 16.764,3.683 17.653,3.683 45.212,4.191 37.719,4.318 38.989,4.318 40.259,4.318 41.656,4.318 44.196,4.318 43.053,4.445 26.924,4.699 27.94,4.699 28.956,4.699 29.972,4.699 13.208,5.461 26.924,5.715 27.94,5.715 28.956,5.715 29.972,5.715 27.051,9.525 29.21,10.033 27.051,10.287 29.21,10.795 27.051,11.049 29.21,11.557 27.051,11.811 29.21,12.319 27.051,12.573 29.21,13.081 27.051,13.335 1.443,15.459 2.159,15.459 2.875,15.459 1.443,16.175 2.159,16.175 2.875,16.175 1.443,16.891 2.159,16.891 2.875,16.891 0.762,20.32 2.286,20.32 0.762,21.844 2.159,21.844 0.508,24.892 2.159,24.892 0.635,26.162 2.159,26.289 1.397,28.702 3.175,28.702 18.923,28.829 21.717,29.083 32.893,29.083 44.704,29.337 2.286,29.591 18.923,29.591 35.687,29.591 29.591,29.718 30.988,29.718 32.004,29.718 6.604,30.734 -0.127,30.861 26.111,31.115 1.016,31.242 26.111,32.131 8.128,32.385 14.478,33.655 16.764,33.782 11.752,34.163 6.223,34.29 3.556,34.417 13.208,34.625 -0.889,34.798 -1.397,36.068 8.138,36.058 -1.397,37.084 15.748,37.084 15.24,37.338 11.811,37.592 -1.397,38.227 2.921,38.227 -1.397,39.243 2.413,40.513 24.892,40.513 27.813,40.894 21.717,41.148 1.365,41.402 20.066,42.291 -0.635,43.434 24.765,43.688 19.304,45.212 6.858,46.355 44.069,46.863 37.592,46.99 45.212,46.99 31.496,47.117 8.89,47.244 19.304,47.498 24.638,48.133 31.496,48.133 37.592,48.133 44.069,48.133 45.212,48.387 -0.889,48.895 7.62,49.149 24.638,49.276 31.496,49.276 37.592,49.276 44.069,49.276 45.212,49.276 15.748,49.53 5.588,50.419 24.638,50.419 31.496,50.419 37.592,50.419 44.069,50.419 45.212,50.419 45.212,51.435 24.638,51.562 31.496,51.562 37.592,51.689 25.527,52.07 32.512,52.07 44.069,52.07 38.608,52.324 44.958,52.705 1.651,53.467 7.747,53.467 3.556,53.594 5.08,53.594 43.815,53.594 44.958,53.848 45.593,54.102 42.926,54.483 7.874,54.546 44.323,54.737 4.064,57.404 5.207,57.404 6.223,57.404 7.366,57.404 8.382,57.404 9.652,57.404 10.795,57.404 11.811,57.404 3.556,59.436 5.207,59.436 6.477,59.436 7.62,59.436 8.636,59.436 9.652,59.436 10.795,59.436 11.811,59.436 12.954,59.436 14.097,59.436 15.24,59.436 16.383,59.436 17.399,59.436 18.415,59.436 41.529,59.436
KEY1: JP_EX.9 K1.1 K1.2 U2.41 | length 72.8
  Top Layer w0.178: v1(-1.016,28.725) -1.016,27.902 -0.755,27.641 K1.2@3.674,27.641 ; v1(3.302,45.743) 3.302,45.87 2.972,46.2 2.972,48.946 3.429,49.403 4.473,49.403 5.183,48.693 6.147,48.693 7.138,47.701 8.887,47.701 10.545,49.36 U2.41@10.545,50.127 10.545,50.91 10.606,50.971 10.606,50.982 13.055,53.43 13.055,55.75 14.427,57.122 27.912,57.122 29.233,58.443 JP_EX.9@29.464,58.443
  Bottom Layer w0.178: v1(-1.016,28.725) -1.016,31.389 -0.022,32.383 6.735,32.383 9.55,35.198 9.55,38.028 8.897,38.682 5.835,38.682 3.302,41.215 v1(3.302,45.743)
KEY2: JP_EX.10 K3.1 K3.2 U2.2 | length 91.9
  Top Layer w0.178: v1(-1.143,33.17) -1.143,33.108 -1.435,32.816 -1.435,23.427 -1.331,23.323 -0.626,23.323 K3.2@3.674,23.323 ; v1(7.493,36.599) 7.522,36.628 7.522,39.004 U2.2@7.545,39.027
  Bottom Layer w0.178: v1(-1.143,33.17) -1.081,33.17 -0.954,33.297 6.357,33.297 8.636,35.576 8.636,36.495 8.532,36.599 v1(7.493,36.599) 5.588,36.599 3.301,38.886 0.153,38.886 -2.134,41.173 -2.134,54.505 -1.777,54.862 -0.961,54.862 -0.465,55.357 1.387,55.357 2.543,56.513 18.035,56.513 18.038,56.515 18.479,56.515 21.423,59.459 21.894,59.459 22.125,59.69 28.067,59.69 28.448,59.309 28.448,58.022 29.464,57.006 JP_EX.10@29.464,55.903
LED_BLUE: LED_BLUE.2 U2.53 | length 14.7
  Top Layer w0.178: LED_BLUE.2@2.815,36.091 2.802,36.091 2.286,36.607 2.286,39.137 2.068,39.355 1.285,39.355 0.641,39.999 0.641,42.153 2.08,43.593 3.26,43.593 3.505,43.838 3.505,45.286 4.129,45.91 4.129,45.979 4.343,46.193 5.111,46.193 U2.53@5.245,46.327
LED_GREEN: LED_GREEN.2 U2.54 | length 14.4
  Top Layer w0.178: LED_GREEN.2@2.815,37.488 3.579,37.488 3.683,37.592 3.683,39.556 3.579,39.66 1.488,39.66 0.946,40.202 0.946,42.027 2.207,43.288 3.386,43.288 3.81,43.712 3.81,45.159 4.343,45.693 5.111,45.693 U2.54@5.245,45.827
M1EA: EM1.3 RP12.2 U2.50 | length 37.4
  Top Layer w0.178: U2.50@5.245,47.827 6.012,47.827 6.722,47.117 7.77,47.117 8.217,46.67 14.186,46.67 v1(14.732,46.124) ; v1(28.308,37.456) 28.829,36.936 28.829,35.814 29.075,35.568 29.075,34.952 29.199,34.828 cw(c29.199,34.485) 29.441,34.728 29.506,34.728 RP12.2@29.591,34.728
  Bottom Layer w0.178: v1(14.732,46.124) 17.554,43.302 17.554,43.087 20.332,40.308 23.555,40.308 24.358,41.111 24.358,42.848 ; EM1.3@22.987,44.219 24.358,42.848 ; v1(28.308,37.456) 28.277,37.488 27.295,37.488 26.416,38.367 26.416,40.79 24.358,42.848
M1EB: EM1.4 RP12.1 U2.55 | length 44
  Top Layer w0.178: U2.55@5.245,45.327 7,45.327 7.937,46.264 13.83,46.264 v1(13.843,46.251) ; v1(29.21,37.846) 29.21,37.784 29.38,37.614 29.38,35.389 29.491,35.278 RP12.1@29.591,35.278
  Bottom Layer w0.178: v1(13.843,46.251) 13.887,46.295 14.304,46.295 14.553,46.543 14.906,46.543 15.439,46.009 15.439,45.895 20.722,40.613 23.429,40.613 24.053,41.238 24.053,42.121 23.247,42.926 22.756,42.926 21.921,43.761 21.921,45.693 EM1.4@22.987,46.759 26.924,42.822 26.924,39.385 28.463,37.846 v1(29.21,37.846)
M1IN1: U2.8 U4.21 | length 26.1
  Top Layer w0.178: v1(10.541,43.203) 10.545,43.199 U2.8@10.545,39.027 ; v1(26.289,32.849) U4.21@27.813,32.849
  Bottom Layer w0.178: v1(10.541,43.203) 10.585,43.159 10.585,42.567 11.434,41.717 12.254,41.717 12.986,40.985 14.66,40.985 22.796,32.849 v1(26.289,32.849)
M1IN2: U2.9 U4.22 | length 24.6
  Top Layer w0.178: U2.9@11.045,39.027 11.045,41.125 11.045,42.945 v1(11.049,42.949) ; v1(26.289,33.499) U4.22@27.813,33.499
  Bottom Layer w0.178: v1(11.049,42.949) 11.976,42.022 12.38,42.022 13.112,41.29 14.786,41.29 22.577,33.499 v1(26.289,33.499)
M1OUT1: EM1.1 U4.1 U4.2 | length 13.9
  Top Layer w1.016: EM1.1@22.987,39.139 20.32,39.139 19.177,37.996 19.177,35.162 19.772,34.567 ; 19.772,34.567 20.955,34.567 ; 19.772,34.567 20.955,34.567 ; 19.772,34.567 20.955,34.567 ; 19.772,34.567 20.955,34.567 ; 19.772,34.567 20.955,34.567
M1OUT2: EM1.6 U4.5 U4.6 | length 27.1
  Top Layer w1.016: EM1.6@22.987,51.839 22.972,51.824 22.471,51.824 21.082,50.434 21.082,41.933 18.034,38.885 18.034,33.17 19.19,32.014 20.299,32.014 20.413,31.9 ; 20.413,31.9 21.048,31.9 ; 20.413,31.9 21.048,31.9 ; 20.413,31.9 21.048,31.9 ; 20.413,31.9 21.048,31.9 ; 20.413,31.9 21.048,31.9
M1PWM: U2.37 U4.23 | length 29.4
  Top Layer w0.178: U2.37@12.545,50.127 12.559,50.113 12.559,48.17 v1(12.573,48.156) ; v1(26.267,34.127) 26.278,34.138 27.802,34.138 U4.23@27.813,34.149
  Bottom Layer w0.178: v1(12.573,48.156) 12.535,48.118 11.099,48.118 10.032,47.051 10.032,44.857 13.294,41.595 14.912,41.595 22.38,34.127 v1(26.267,34.127)
M2EA: EM2.3 RP12.4 U2.56 | length 48
  Top Layer w0.178: U2.56@5.245,44.827 5.256,44.816 9.983,44.816 10.364,44.435 13.571,44.435 13.701,44.304 v1(13.763,44.304) ; RP12.4@29.591,33.678 29.607,33.678 29.718,33.567 v1(29.718,33.053)
  Bottom Layer w0.178: v1(13.763,44.304) 13.763,44.242 13.932,44.074 13.932,43.974 14.177,43.729 15.796,43.729 23.053,36.472 29.106,36.472 31.242,38.608 31.242,42.314 ; EM2.3@29.337,44.219 31.242,42.314 ; v1(29.718,33.053) 29.762,33.097 30.153,33.097 31.623,34.567 31.623,41.933 31.242,42.314
M2EB: EM2.4 RP12.3 U2.57 | length 58.3
  Top Layer w0.178: U2.57@5.245,44.327 5.268,44.304 6.105,44.304 6.113,44.295 10.073,44.295 10.492,43.876 14.018,43.876 14.289,44.148 v1(14.351,44.148) ; v1(29.083,33.02) 29.075,33.028 29.075,33.967 29.275,34.167 29.53,34.167 RP12.3@29.591,34.228
  Bottom Layer w0.178: v1(14.351,44.148) 15.808,44.148 23.103,36.853 29.056,36.853 30.403,38.2 30.403,39.697 30.861,40.155 30.861,41.662 29.597,42.926 29.123,42.926 28.271,43.778 28.271,45.693 EM2.4@29.337,46.759 31.928,44.168 31.928,34.441 30.121,32.634 29.487,32.634 29.101,33.02 v1(29.083,33.02)
M2IN1: U2.10 U4.17 | length 23.1
  Top Layer w0.178: U2.10@11.545,39.027 11.551,39.033 11.551,41.292 v1(11.557,41.298) ; v1(26.289,30.249) U4.17@27.813,30.249
  Bottom Layer w0.178: v1(11.557,41.298) 12.242,41.298 12.859,40.681 14.534,40.681 24.959,30.255 26.283,30.255 v1(26.289,30.249)
M2IN2: U2.11 U4.16 | length 21.6
  Top Layer w0.178: U2.11@12.045,39.027 12.045,40.194 12.341,40.49 v1(12.351,40.49) ; v1(26.289,29.599) U4.16@27.813,29.599
  Bottom Layer w0.178: v1(12.351,40.49) 12.395,40.446 12.662,40.446 12.733,40.376 14.407,40.376 25.184,29.599 v1(26.289,29.599)
M2OUT1: EM2.1 U4.11 U4.12 | length 17
  Top Layer w1.016: 19.812,27.963 20.413,27.963 21.782,27.963 23.876,30.057 23.876,34.96 27.776,38.86 29.058,38.86 EM2.1@29.337,39.139
M2OUT2: EM2.6 U4.7 U4.8 | length 28.2
  Top Layer w1.016: 19.812,30.503 20.413,30.503 22.138,30.503 22.733,31.098 22.733,35.433 26.162,38.862 26.162,51.244 26.757,51.839 EM2.6@29.337,51.839
M2PWM: U2.38 U4.15 | length 32.9
  Top Layer w0.178: U2.38@12.045,50.127 12.055,50.117 12.055,48.547 v1(12.065,48.537) ; v1(26.289,28.949) U4.15@27.813,28.949
  Bottom Layer w0.178: v1(12.065,48.537) 11.087,48.537 9.727,47.177 9.727,42.493 12.149,40.071 14.281,40.071 25.403,28.949 v1(26.289,28.949)
M3EA: EM3.3 RP34.2 U2.58 | length 64.7
  Top Layer w0.178: U2.58@5.245,43.827 5.251,43.832 8.376,43.832 v1(8.382,43.838) ; v1(42.037,35.964) 42.418,35.964 42.934,35.448 42.934,34.989 43.134,34.789 43.389,34.789 RP34.2@43.45,34.728
  Bottom Layer w0.178: v1(8.382,43.838) 9.144,43.838 9.398,43.584 9.398,42.391 12.023,39.766 14.155,39.766 25.45,28.471 41.021,28.471 41.275,28.725 41.275,35.202 v1(42.037,35.964) 40.514,35.964 38.354,38.124 38.354,41.552 EM3.3@35.687,44.219
M3EB: EM3.4 RP34.1 U2.59 | length 67.5
  Top Layer w0.178: U2.59@5.245,43.327 8.793,43.327 8.917,43.203 v1(8.979,43.203) ; v1(42.291,36.472) 42.341,36.472 43.239,35.574 43.239,35.389 43.35,35.278 RP34.1@43.45,35.278
  Bottom Layer w0.178: v1(8.979,43.203) 8.979,42.379 11.897,39.461 14.029,39.461 25.354,28.136 41.117,28.136 41.58,28.599 41.58,34.745 42.456,35.621 42.456,36.307 v1(42.291,36.472) 42.247,36.516 41.878,36.516 41.871,36.523 40.386,36.523 38.659,38.25 38.659,43.787 EM3.4@35.687,46.759
M3IN1: U2.24 U5.21 | length 41.1
  Top Layer w0.178: v1(12.192,44.854) 12.255,44.79 14.301,44.79 14.764,44.327 U2.24@16.345,44.327 ; v1(40.259,32.867) U5.21@41.673,32.867
  Bottom Layer w0.178: v1(12.192,44.854) 12.229,44.817 12.229,44.384 13.799,42.814 15.417,42.814 22.674,35.558 26.722,35.558 27.965,34.315 27.965,32.457 28.703,31.719 39.111,31.719 v1(40.259,32.867)
M3IN2: U2.25 U5.22 | length 40.7
  Top Layer w0.178: v1(12.573,45.235) 12.713,45.095 14.427,45.095 14.695,44.827 U2.25@16.345,44.827 ; v1(40.259,33.517) U5.22@41.673,33.517
  Bottom Layer w0.178: v1(12.573,45.235) 12.622,45.186 12.622,44.422 13.925,43.119 15.544,43.119 22.8,35.862 26.849,35.862 28.27,34.441 28.27,32.584 28.83,32.024 38.766,32.024 v1(40.259,33.517)
M3OUT1: EM3.1 U5.1 U5.2 | length 5.3
  Top Layer w1.016: 33.831,35.125 33.831,38.202 34.426,38.797 35.345,38.797 EM3.1@35.687,39.139
M3OUT2: EM3.6 U5.5 U5.6 | length 22.8
  Top Layer w1.016: 33.444,31.816 33.177,32.032 32.385,32.824 32.385,40.79 33.528,41.933 33.528,51.244 34.123,51.839 EM3.6@35.687,51.839
M3PWM: U2.39 U5.23 | length 43.7
  Top Layer w0.178: U2.39@11.545,50.127 11.545,47.914 12.192,47.267 v1(14.097,47.267) ; v1(40.259,34.167) U5.23@41.673,34.167
  Bottom Layer w0.178: v1(14.097,47.267) 13.162,46.332 13.162,44.312 14.051,43.424 15.67,43.424 22.926,36.167 26.975,36.167 28.575,34.567 28.575,32.71 28.956,32.329 38.421,32.329 v1(40.259,34.167)
M4EA: EM4.3 RP34.4 U2.14 | length 55.1
  Top Layer w0.178: U2.14@13.545,39.027 13.545,37.713 14.097,37.161 14.097,37.149 15.155,36.091 15.748,36.091 v1(16.235,36.578) ; v1(43.434,33.043) 43.434,33.662 RP34.4@43.45,33.678
  Bottom Layer w0.178: v1(16.235,36.578) 16.238,36.578 24.985,27.831 41.243,27.831 42.037,28.625 42.037,33.424 42.418,33.805 43.053,33.805 43.434,33.424 v1(43.434,33.043) 44.069,33.043 44.45,33.424 44.45,41.806 EM4.3@42.037,44.219
M4EB: EM4.4 RP34.3 U2.15 | length 57.9
  Top Layer w0.178: U2.15@14.045,39.027 14.045,37.644 15.179,36.51 v1(15.49,36.51) ; v1(42.893,33.268) 42.893,33.926 43.134,34.167 43.389,34.167 RP34.3@43.45,34.228
  Bottom Layer w0.178: v1(15.49,36.51) 24.474,27.527 41.37,27.527 42.49,28.647 42.49,33.153 42.594,33.257 42.882,33.257 v1(42.893,33.268) ; EM4.4@42.037,46.759 44.755,44.041 44.755,33.298 44.081,32.624 43.26,32.624 42.907,32.977 42.907,33.256 v1@42.894,33.269
M4IN1: U2.35 U5.17 | length 43.4
  Top Layer w0.178: U2.35@13.545,50.127 13.567,50.105 13.567,48.178 v1(13.589,48.156) ; v1(40.259,30.267) U5.17@41.673,30.267
  Bottom Layer w0.178: v1(13.589,48.156) 13.589,47.775 11.646,45.832 11.646,44.536 13.672,42.509 15.291,42.509 22.548,35.253 26.596,35.253 27.661,34.188 27.661,32.331 28.577,31.415 39.111,31.415 v1(40.259,30.267)